# Altium PCB Graviton-EC2-Simplified.PcbDoc (part 4 of 9)
Units mm, origin at the board's own origin, x right, y up, seen from the top; angles counter-clockwise.
Board outline 200 x 200 mm, 10 copper layers (Top Layer, Internal Plane 1, Signal Layer 1, Internal Plane 2, Signal Layer 2, Signal Layer 3, Internal Plane 3, Signal Layer 4, Internal Plane 4, Bottom Layer), stack 1.674 mm thick; 774 components, 1540 nets, 6310 pads, 1698 vias.
Unrouted connection lines stored in the file: 74.
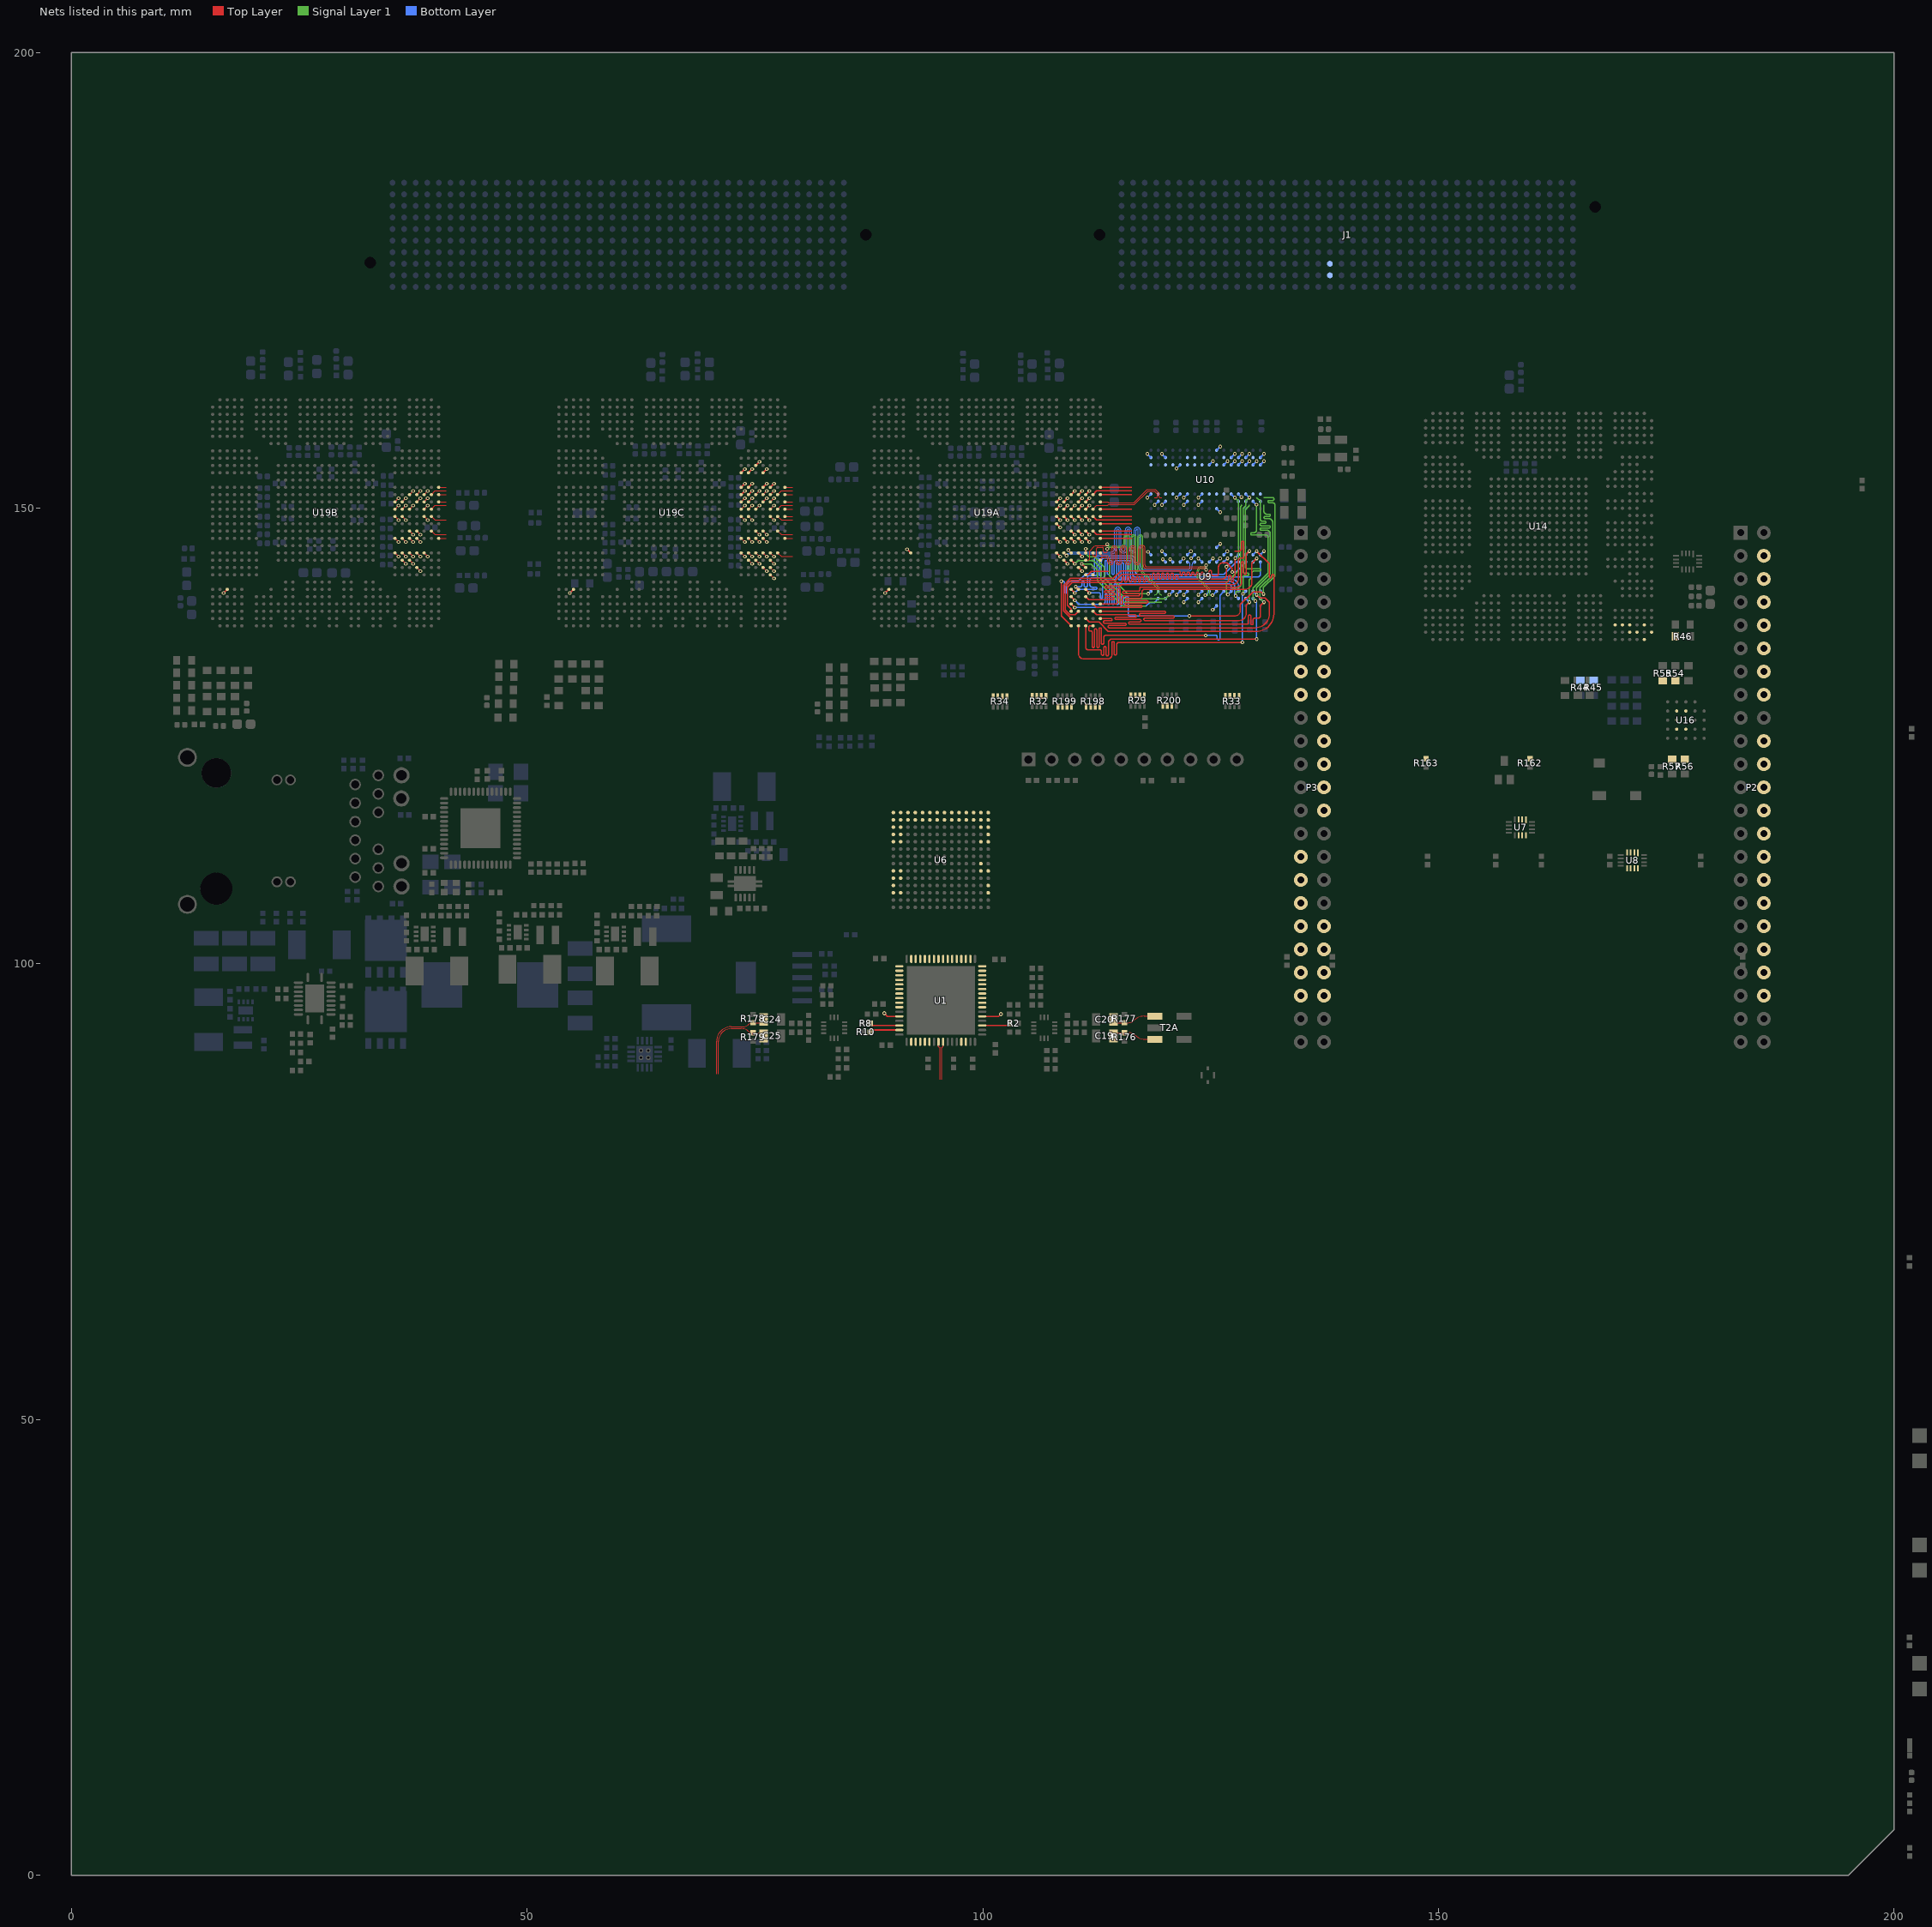
[diagram p12: the nets of this part, all layers, seen from the top]

## Via types
v1: diameter 0.406, hole 0.203, Top Layer to Bottom Layer, 1443 vias
v2: diameter 0.406, hole 0.203, Top Layer to Bottom Layer, tented top, 173 vias
v3: diameter 0.66, hole 0.305, Top Layer to Bottom Layer, tented top, 36 vias
v4: diameter 0.457, hole 0.203, Top Layer to Bottom Layer, 29 vias
v5: diameter 0.6, hole 0.3, Top Layer to Bottom Layer, 10 vias
v6: diameter 0.457, hole 0.203, Top Layer to Bottom Layer, tented bottom, 5 vias
v7: diameter 0.406, hole 0.203, Top Layer to Bottom Layer, tented both sides, 2 vias

## Nets (pads, with @x,y where several pads share a name; then routed paths per layer and width w, separated by ;. In a path a pad name is that pad's centre, name@x,y a point inside that pad or via, vN(x,y) a via of type N, cw(c..) or ccw(c..) an arc to the next point about the centre after c; other vN are vias at no path point) (continued)
ADC-AMP-A_P: R2.1 U1.35 | length 3.1
  Top Layer w0.152: U1.35@99.95,93.25 R2.1@103,93.25
ADC-AMP-B_N: R10.1 U1.15 | length 3.1
  Top Layer w0.152: R10.1@87.7,92.75 U1.15@90.85,92.75
ADC-AMP-B_P: R8.1 U1.14 | length 3.1
  Top Layer w0.152: R8.1@87.7,93.25 U1.14@90.85,93.25
ADC-CLKIN_N: U1.25 | length 4.2
  Top Layer w0.076: 95.501,87.299 95.501,90.814 95.65,90.962 U1.25@95.65,91.45
ADC-CLKIN_P: U1.24 | length 4.2
  Top Layer w0.076: U1.24@95.15,91.45 95.15,90.962 95.298,90.814 95.298,87.299
ADC-CTRL-3V3.CTRL1: P2.30 U7.1
ADC-CTRL-3V3.CTRL2: P2.32 U7.2
ADC-CTRL-3V3.RESET: P2.28 U8.4
ADC-CTRL-3V3.SCLK: P2.22 U8.1
ADC-CTRL-3V3.SDATA: P2.24 U8.2
ADC-CTRL-3V3.SDOUT: P2.34 U7.3
ADC-CTRL-3V3.SEN: P2.26 U8.3
ADC-CTRL.CTRL1: U1.37 U7.12 | length 2.2
  Top Layer w0.152: U1.37@99.95,94.25 101.75,94.25 v4(102,94.5)
ADC-CTRL.CTRL2: U1.12 U7.11 | length 1.8
  Top Layer w0.12: v4(89.2,94.6) 89.55,94.25 U1.12@90.85,94.25
ADC-CTRL.RESET: U1.22 U8.9
ADC-CTRL.SCLK: U1.18 U8.12
ADC-CTRL.SDATA: U1.19 U8.11
ADC-CTRL.SDOUT: U1.21 U7.10
ADC-CTRL.SEN: U1.20 U8.10
ADC-D0_N: U1.9 U19B.P29 | length 0.6
  Top Layer w0.076: U19B.P29@37.9,151.5 v1(38.3,151.9)
ADC-D0_P: U1.10 U19B.P28 | length 0.6
  Top Layer w0.076: U19B.P28@37.1,151.5 v1(37.5,151.9)
ADC-D1_N: U1.7 U19B.T26 | length 0.6
  Top Layer w0.076: U19B.T26@35.5,149.9 v1(35.9,150.3)
ADC-D1_P: U1.8 U19B.R26 | length 0.6
  Top Layer w0.076: U19B.R26@35.5,150.7 v1(35.9,151.1)
ADC-D2_N: U1.5 U19B.T27 | length 0.6
  Top Layer w0.076: U19B.T27@36.3,149.9 v1(36.7,150.3)
ADC-D2_P: U1.6 U19B.R27 | length 0.6
  Top Layer w0.076: U19B.R27@36.3,150.7 v1(36.7,151.1)
ADC-D3_N: U1.3 U19B.U26 | length 0.6
  Top Layer w0.076: U19B.U26@35.5,149.1 v1(35.9,148.7)
ADC-D3_P: U1.4 U19B.U27 | length 0.6
  Top Layer w0.076: U19B.U27@36.3,149.1 v1(36.7,148.7)
ADC-D4_N: U1.1 U19B.T28 | length 0.6
  Top Layer w0.076: U19B.T28@37.1,149.9 v1(37.5,150.3)
ADC-D4_P: U1.2 U19B.R29 | length 0.6
  Top Layer w0.076: U19B.R29@37.9,150.7 v1(38.3,151.1)
ADC-D5_N: U1.62 U19B.P30 | length 0.6
  Top Layer w0.076: U19B.P30@38.7,151.5 v1(39.1,151.9)
ADC-D5_P: U1.63 U19B.P31 | length 1.8
  Top Layer w0.076: U19B.P31@39.5,151.5 39.9,151.9 41.115,151.9
ADC-D6_N: U1.60 U19B.T30 | length 0.6
  Top Layer w0.076: U19B.T30@38.7,149.9 v1(39.1,150.3)
ADC-D6_P: U1.61 U19B.R30 | length 0.6
  Top Layer w0.076: U19B.R30@38.7,150.7 v1(39.1,151.1)
ADC-D7_N: U1.58 U19B.P32 | length 0.8
  Top Layer w0.076: U19B.P32@40.3,151.5 41.115,151.5
ADC-D7_P: U1.59 U19B.N32 | length 0.8
  Top Layer w0.076: U19B.N32@40.3,152.3 41.115,152.3
ADC-D8_N: U1.39 U19B.U30 | length 0.6
  Top Layer w0.076: U19B.U30@38.7,149.1 v1(39.1,148.7)
ADC-D8_P: U1.40 U19B.U31 | length 1.8
  Top Layer w0.076: U19B.U31@39.5,149.1 39.9,148.7 41.115,148.7
ADC-D9_N: U1.41 U19B.T31 | length 1.8
  Top Layer w0.076: U19B.T31@39.5,149.9 39.9,150.3 41.115,150.3
ADC-D9_P: U1.42 U19B.R32 | length 0.8
  Top Layer w0.076: U19B.R32@40.3,150.7 41.115,150.7
ADC-D10_N: U1.43 U19B.Y27 | length 0.6
  Top Layer w0.076: U19B.Y27@36.3,146.7 v1(36.7,146.3)
ADC-D10_P: U1.44 U19B.Y26 | length 0.6
  Top Layer w0.076: U19B.Y26@35.5,146.7 v1(35.9,146.3)
ADC-D11_N: U1.45 U19B.W28 | length 0.6
  Top Layer w0.076: U19B.W28@37.1,147.5 v1(37.5,147.1)
ADC-D11_P: U1.46 U19B.Y28 | length 0.6
  Top Layer w0.076: U19B.Y28@37.1,146.7 v1(37.5,146.3)
ADC-D12_N: U1.47 U19B.W29 | length 0.6
  Top Layer w0.076: U19B.W29@37.9,147.5 v1(38.3,147.1)
ADC-D12_P: U1.48 U19B.Y29 | length 0.6
  Top Layer w0.076: U19B.Y29@37.9,146.7 v1(38.3,146.3)
ADC-D13_N: U1.50 U19B.AC27 | length 0.6
  Top Layer w0.076: U19B.AC27@36.3,144.3 v1(36.7,143.9)
ADC-D13_P: U1.51 U19B.AB26 | length 0.6
  Top Layer w0.076: U19B.AB26@35.5,145.1 v1(35.9,144.7)
ADC-D14_N: U1.52 U19B.AB27 | length 0.6
  Top Layer w0.076: U19B.AB27@36.3,145.1 v1(36.7,144.7)
ADC-D14_P: U1.53 U19B.AB28 | length 0.6
  Top Layer w0.076: U19B.AB28@37.1,145.1 v1(37.5,144.7)
ADC-D15_N: U1.54 U19B.AB29 | length 0.6
  Top Layer w0.076: U19B.AB29@37.9,145.1 v1(38.3,144.7)
ADC-D15_P: U1.55 U19B.AB30 | length 0.6
  Top Layer w0.076: U19B.AB30@38.7,145.1 v1(39.1,144.7)
ADC-DCLK_N: U1.56 U19B.AD29 | length 0.6
  Top Layer w0.076: U19B.AD29@37.9,143.5 v1(38.3,143.1)
ADC-DCLK_P: U1.57 U19B.AC28 | length 0.6
  Top Layer w0.076: U19B.AC28@37.1,144.3 v1(37.5,143.9)
ADC-INA_N: C19.1 R176.1 T2A.1 | length 4.4
  Top Layer w0.076: C19.1@114.71,92.455 R176.1@115.55,92.455 116.084,92.455 cw(c116.084,91.584) 116.7,92.2 ccw(c117.835,93.335) 117.835,91.73 T2A.1@118.91,91.73
ADC-INA_P: C20.1 R177.2 T2A.3 | length 4.4
  Top Layer w0.076: C20.1@114.71,93.545 R177.2@115.55,93.545 115.984,93.545 ccw(c115.984,94.416) 116.6,93.8 cw(c117.735,92.665) 117.735,94.27 T2A.3@118.91,94.27
ADC-INB_N: C24.1 R178.1 | length 9.4
  Top Layer w0.076: 70.798,87.911 70.798,91.502 cw(c72.4,91.502) 72.4,93.103 73.733,93.103 ccw(c73.733,93.796) 74.223,93.306 cw(c74.8,92.729) R178.1@74.8,93.545 C24.1@75.59,93.545
ADC-INB_P: C25.1 R179.2 | length 9.1
  Top Layer w0.076: 71.001,87.911 71.001,91.502 cw(c72.4,91.502) 72.4,92.9 73.5,92.9 cw(c73.5,91.652) 74.383,92.534 ccw(c74.574,92.726) 74.574,92.455 R179.2@74.8,92.455 C25.1@75.59,92.455
ADC-SYNC_N: U1.30 U19B.Y32 | length 0.8
  Top Layer w0.076: U19B.Y32@40.3,146.7 41.115,146.7
ADC-SYNC_P: U1.29 U19B.W31 | length 1.8
  Top Layer w0.076: U19B.W31@39.5,147.5 39.9,147.1 41.115,147.1
AIN0-EXT: P3.39
AIN1-EXT: P3.40
AIN2-EXT: P3.37
AIN3-EXT: P3.38
AIN4-EXT: P3.33
AIN5-EXT: P3.36
AIN6-EXT: P3.35
ALARM: P2.8 U6.N12
BANK3-DDRCTRL.CASN: R32.1 U9.K3 U10.K3 U19A.W30 | length 1.1
  Top Layer w0.127: U19A.W30@111.3,147.5 v1(111.7,147.1)
  Bottom Layer w0.121: U9.K3@125.66,144.094 v2(126.047,144.482)
BANK3-DDRCTRL.CKE: R32.4 U9.K9 U10.K9 U19A.U28 | length 1.2
  Top Layer w0.127: U19A.U28@109.7,149.1 v1(110.1,148.7)
  Bottom Layer w0.121: v2(125.228,138.862) U9.K9@125.66,139.294
  other v2: 126.06,149.562
BANK3-DDRCTRL.CLK_N: R29.2 U9.K7 U10.K7 U19A.AC32 | length 31.3
  Top Layer w0.076: U19A.AC32@112.9,144.3 ccw(c112.808,144.392) 112.938,144.392 cw(c113.145,144.392) 113.145,144.599 113.517,144.599 cw(c113.517,144.399) 113.716,144.399 113.716,144.145 ccw(c114.046,144.145) 114.046,143.815 ccw(c114.046,144.094) 114.325,144.094 114.325,145.567 cw(c114.427,145.567) 114.427,145.669 cw(c114.427,145.542) 114.554,145.542 114.554,144.196 ccw(c114.935,144.196) 114.935,143.815 ccw(c114.935,144.145) 115.265,144.145 115.265,145.491 cw(c115.443,145.491) 115.443,145.669 cw(c115.443,145.542) 115.57,145.542 115.57,144.196 ccw(c115.951,144.196) 115.951,143.815 ccw(c115.951,144.145) 116.281,144.145 116.281,145.491 cw(c116.459,145.491) 116.459,145.669 cw(c116.459,145.542) 116.586,145.542 116.586,144.158 ccw(c116.929,144.158) 116.929,143.815 116.967,143.815 ccw(c116.967,144.145) 117.297,144.145 117.297,145.542 cw(c117.475,145.542) 117.475,145.72 cw(c117.475,145.593) 117.602,145.593 117.602,143.764 ccw(c117.97,143.764) 117.97,143.396 124.371,143.396 cw(c124.371,143.256) v2(124.511,143.256)
  Signal Layer 1 w0.076: v2(124.511,143.256) ccw(c124.347,143.256) 124.347,143.419 123.952,143.419 ccw(c123.952,143.165) 123.698,143.165 123.698,142.367 124.901,141.164 124.901,140.564 ccw(c125.003,140.564) 125.003,140.462 v2(125.222,140.462)
  Bottom Layer w0.076: U9.K7@125.527,140.932 U9.K7@125.568,140.932
  Bottom Layer w0.12: v2@125.225,140.458 U9.K7@125.66,140.894
BANK3-DDRCTRL.CLK_P: R29.1 U9.J7 U10.J7 U19A.AB32 | length 31.5
  Top Layer w0.076: U19A.AB32@112.9,145.1 cw(c112.808,145.008) 112.938,145.008 ccw(c113.145,145.008) 113.145,144.802 113.55,144.802 cw(c113.55,144.432) 113.919,144.432 113.919,144.145 ccw(c114.046,144.145) 114.046,144.018 ccw(c114.046,144.094) 114.122,144.094 114.122,145.567 cw(c114.427,145.567) 114.427,145.872 cw(c114.427,145.542) 114.757,145.542 114.757,144.196 ccw(c114.935,144.196) 114.935,144.018 ccw(c114.935,144.145) 115.062,144.145 115.062,145.491 cw(c115.443,145.491) 115.443,145.872 cw(c115.443,145.542) 115.773,145.542 115.773,144.196 ccw(c115.951,144.196) 115.951,144.018 ccw(c115.951,144.145) 116.078,144.145 116.078,145.491 cw(c116.459,145.491) 116.459,145.872 cw(c116.459,145.542) 116.789,145.542 116.789,144.158 ccw(c116.929,144.158) 116.929,144.018 116.967,144.018 ccw(c116.967,144.145) 117.094,144.145 117.094,145.542 cw(c117.475,145.542) 117.475,145.923 cw(c117.475,145.593) 117.805,145.593 117.805,143.764 ccw(c117.97,143.764) 117.97,143.599 124.371,143.599 ccw(c124.371,143.739) v2(124.511,143.739)
  Signal Layer 1 w0.076: v2(124.425,140.458) 124.64,140.458 ccw(c124.64,140.564) 124.745,140.564 124.745,141.099 123.542,142.302 123.542,143.165 cw(c123.952,143.165) 123.952,143.575 124.347,143.575 ccw(c124.347,143.739) v2(124.511,143.739)
  Bottom Layer w0.12: v2(124.425,140.458) U9.J7@124.86,140.894
BANK3-DDRCTRL.CSN: R29.3 U9.L2 U10.L2 U19A.U29 | length 1.1
  Top Layer w0.127: U19A.U29@110.5,149.1 v1(110.9,148.7)
  Bottom Layer w0.121: U9.L2@126.46,144.894 v2(126.848,145.282)
BANK3-DDRCTRL.ODT: R32.3 U9.K1 U10.K1 U19A.V26 | length 0.6
  Top Layer w0.127: U19A.V26@108.1,148.3 v1(108.5,147.9)
  other v2: 126.06,146.094 126.06,156.762
BANK3-DDRCTRL.RASN: R29.4 U9.J3 U10.J3 U19A.Y30 | length 0.6
  Top Layer w0.127: U19A.Y30@111.3,146.7 v1(111.7,146.3)
  other v2: 125.26,144.494 125.26,155.162
BANK3-DDRCTRL.RSTN: R31.2 U9.T2 U10.T2 U19A.T29 | length 0.6
  Top Layer w0.127: U19A.T29@110.5,149.9 v1(110.9,150.3)
  other v2: 130.861,145.294 130.861,155.962
BANK3-DDRCTRL.WEN: R32.2 U9.L3 U10.L3 U19A.AE31
  other v2: 126.86,144.494 126.86,155.162
BANK3-DQS32.DQM0: U10.E7 U19A.T32 | length 3.4
  Top Layer w0.12: U19A.T32@112.9,149.9 116.332,149.9
  other v2: 121.26,151.162
BANK3-DQS32.DQM1: U10.D3 U19A.U32 | length 3.4
  Top Layer w0.12: U19A.U32@112.9,149.1 116.332,149.1
BANK3-DQS32.DQM2: U9.E7 U19A.V32 | length 3.4
  Top Layer w0.12: U19A.V32@112.9,148.3 116.332,148.3
  other v2: 121.26,140.494
BANK3-DQS32.DQM3: U9.D3 U19A.W32 | length 3.9
  Top Layer w0.12: U19A.W32@112.9,147.5 116.332,147.5
  Bottom Layer w0.121: v2(120.555,144.399) U9.D3@120.86,144.094
BANK3-DQS32.DQS0_N: U10.G3 U19A.T28 | length 0.6
  Top Layer w0.076: U19A.T28@109.7,149.9 v1(110.1,150.3)
BANK3-DQS32.DQS0_P: U10.F3 U19A.R29 | length 0.6
  Top Layer w0.076: U19A.R29@110.5,150.7 v1(110.9,151.1)
BANK3-DQS32.DQS1_N: U10.B7 U19A.T31 | length 8.7
  Top Layer w0.076: U19A.T31@112.1,149.9 112.5,150.3 113.715,150.3 113.813,150.399 116.65,150.399 118.127,151.875 118.83,151.875 119.158,151.548 119.158,151.232 119.088,151.162 118.859,151.162
BANK3-DQS32.DQS1_P: U10.C7 U19A.R32 | length 8
  Top Layer w0.076: U19A.R32@112.9,150.7 113.715,150.7 113.813,150.601 116.566,150.601 117.983,152.019 118.042,152.078 118.914,152.078 119.361,151.632 119.361,151.232 119.431,151.162 119.659,151.162
BANK3-DQS32.DQS2_N: U9.G3 U19A.AB27 | length 31.6
  Top Layer w0.076: U19A.AB27@108.9,145.1 v1(109.195,144.805)
  Bottom Layer w0.076: v1(109.195,144.805) cw(c109.398,144.805) 109.398,145.009 114.122,145.009 ccw(c114.122,145.568) 114.681,145.568 114.681,147.574 cw(c114.808,147.574) 114.808,147.701 cw(c114.808,147.523) 114.986,147.523 114.986,145.542 ccw(c115.443,145.542) 115.443,145.085 ccw(c115.443,145.466) 115.824,145.466 115.824,147.574 ; 115.824,147.599 115.824,147.574 ; U9.G3@123.26,144.094 cw(c123.168,144.186) 123.168,144.056 ccw(c123.168,143.849) 122.961,143.849 122.961,143.485 cw(c122.58,143.485) 122.58,143.104 117.602,143.104 cw(c117.602,143.637) 117.069,143.637 117.069,147.599 ccw(c116.967,147.599) 116.967,147.701 ccw(c116.967,147.574) 116.84,147.574 116.84,145.466 cw(c116.459,145.466) 116.459,145.085 cw(c116.459,145.415) 116.129,145.415 116.129,147.523 ccw(c115.951,147.523) 115.951,147.701 ccw(c115.951,147.574) 115.824,147.574
BANK3-DQS32.DQS2_P: U9.F3 U19A.AB28 | length 31.1
  Top Layer w0.076: v1(109.385,145.415) U19A.AB28@109.7,145.1
  Bottom Layer w0.076: v1(109.385,145.415) ccw(c109.588,145.415) 109.588,145.212 114.122,145.212 ccw(c114.122,145.568) 114.478,145.568 114.478,147.574 cw(c114.808,147.574) 114.808,147.904 cw(c114.808,147.523) 115.189,147.523 115.189,145.542 ccw(c115.443,145.542) 115.443,145.288 ccw(c115.443,145.466) 115.621,145.466 115.621,147.574 ; 115.621,147.599 115.621,147.574 ; U9.F3@122.46,144.094 ccw(c122.551,144.186) 122.551,144.056 cw(c122.551,143.849) 122.758,143.849 122.758,143.485 cw(c122.58,143.485) 122.58,143.307 117.602,143.307 cw(c117.602,143.637) 117.272,143.637 117.272,147.599 ccw(c116.967,147.599) 116.967,147.904 ccw(c116.967,147.574) 116.637,147.574 116.637,145.466 cw(c116.459,145.466) 116.459,145.288 cw(c116.459,145.415) 116.332,145.415 116.332,147.523 ccw(c115.951,147.523) 115.951,147.904 ccw(c115.951,147.574) 115.621,147.574
BANK3-DQS32.DQS3_N: U9.B7 U19A.AB31 | length 30.6
  Top Layer w0.076: U19A.AB31@112.1,145.1 112.1,144.846 ccw(c112.217,144.846) 112.217,144.729 112.344,144.729 ccw(c112.344,144.882) 112.497,144.882 112.497,145.567 cw(c112.624,145.567) 112.624,145.694 113.132,145.694 cw(c113.132,145.567) 113.259,145.567 113.259,145.263 ccw(c113.386,145.263) 113.386,145.136 113.513,145.136 ccw(c113.513,145.288) 113.665,145.288 v2(113.665,145.542)
  Signal Layer 1 w0.076: v2(113.665,145.542) cw(c113.839,145.542) 113.839,145.716 115.178,145.716 ccw(c115.178,146.177) 115.639,146.177 115.639,146.837 cw(c115.766,146.837) 115.766,146.964 cw(c115.766,146.837) 115.893,146.837 115.893,143.307 ccw(c116.151,143.307) 116.151,143.049 ccw(c116.151,143.303) 116.405,143.303 116.405,146.812 cw(c116.532,146.812) 116.532,146.939 cw(c116.532,146.812) 116.659,146.812 116.659,143.281 ccw(c116.916,143.281) 116.916,143.024 ccw(c116.916,143.278) 117.17,143.278 117.17,146.787 cw(c117.297,146.787) 117.297,146.914 cw(c117.297,146.787) 117.424,146.787 117.424,142.956 119.181,141.199 119.181,140.816 cw(c118.859,140.816) 118.859,140.494
BANK3-DQS32.DQS3_P: U9.C7 U19A.AC30 | length 31
  Top Layer w0.076: U19A.AC30@111.3,144.3 111.61,144.3 111.735,144.424 111.735,145.296 112.277,145.838 112.336,145.897 113.512,145.897 ccw(c113.512,146.05) v2(113.665,146.05)
  Signal Layer 1 w0.076: v2(113.665,146.05) ccw(c113.843,146.05) 113.843,145.872 115.178,145.872 ccw(c115.178,146.177) 115.483,146.177 115.483,146.837 cw(c115.766,146.837) 115.766,147.12 cw(c115.766,146.837) 116.049,146.837 116.049,143.307 ccw(c116.151,143.307) 116.151,143.205 ccw(c116.151,143.303) 116.249,143.303 116.249,146.812 cw(c116.532,146.812) 116.532,147.095 cw(c116.532,146.812) 116.815,146.812 116.815,143.281 ccw(c116.916,143.281) 116.916,143.18 ccw(c116.916,143.278) 117.014,143.278 117.014,146.787 cw(c117.297,146.787) 117.297,147.07 cw(c117.297,146.787) 117.58,146.787 117.58,143.02 119.337,141.263 119.337,140.816 ccw(c119.659,140.816) 119.659,140.494
BBBGPIO0-30: P3.11
BBBGPIO0-31: P3.13
BBBGPIO1-16: P3.15
BBBGPIO2-11: P2.42
BBBGPIO2-13: P2.40
BBBGPIO2-15: P2.38
BBBGPIO3-14: P3.31
BBBGPIO3-15: P3.29
BBBGPIO3-18: P3.42
BUZZER: R163.2 U19A.AB6 | length 0.6
  Top Layer w0.127: v1(91.7,145.5) U19A.AB6@92.1,145.1
BUZZER-MCU: P2.36 R162.2
CFG_CS1N: R45.1 U14.AH3
CFG_CSN: R44.1 U14.AG3
CFG_SPI_DQ0: R54.1 U14.AK2 U16.D3
CFG_SPI_DQ1: R55.1 U14.AJ2 U16.D2
CFG_SPI_DQ2: R56.1 U14.AM2 U16.C4
CFG_SPI_DQ3: R57.1 U14.AL1 U16.D4
CFG_SPI_SN: U14.AJ3 U16.C2
CFG_WRITEN: R46.1 U14.AL3
CLIENT-CLK_N: J1.218
CLIENT-CLK_P: J1.219
CLK-CTRL.C\S\: 
CLK-CTRL.CSN: P3.20
CLK-CTRL.LD1: P3.16
CLK-CTRL.LD2: P3.18
CLK-CTRL.RESET: P3.26
CLK-CTRL.SCK: P3.22
CLK-CTRL.SDIO: P3.24
CLK-CTRL.SEL0: P3.12
CLK-CTRL.SEL1: P3.14
CLKIN: 
CLKOUT3_N: U13.6
CLKOUT3_P: U13.7
CLOCK-SYNC: P3.41
CPOUT1: 
CSNA: U19A.AG3 | length 0.6
  Top Layer w0.127: v1(89.3,140.7) U19A.AG3@89.7,141.1
CSNB: U19B.AG3 | length 0.6
  Top Layer w0.127: v1(16.7,140.7) U19B.AG3@17.1,141.1
CSNC: U19C.AG3 | length 0.6
  Top Layer w0.127: v1(54.7,140.7) U19C.AG3@55.1,141.1
DAC-CTRL.RESETN: P2.4 U6.N10
DAC-CTRL.SCLK: P2.20 U6.P9
DAC-CTRL.SDENN: P2.6 U6.P10
DAC-CTRL.SDIO: P2.16 U6.P11
DAC-CTRL.SDO: P2.14 U6.P12
DAC-CTRL.SLEEP: P2.12 U6.B8
DAC-CTRL.TXENABLE: P2.10 U6.N9
DAC-LVDS.DAC-D0_N: U6.P4 U19C.P29 | length 0.6
  Top Layer w0.076: U19C.P29@75.9,151.5 v1(76.3,151.9)
DAC-LVDS.DAC-D0_P: U6.N4 U19C.P28 | length 0.6
  Top Layer w0.076: U19C.P28@75.1,151.5 v1(75.5,151.9)
DAC-LVDS.DAC-D1_N: U6.P3 U19C.T26 | length 0.6
  Top Layer w0.076: U19C.T26@73.5,149.9 v1(73.9,150.3)
DAC-LVDS.DAC-D1_P: U6.N3 U19C.R26 | length 0.6
  Top Layer w0.076: U19C.R26@73.5,150.7 v1(73.9,151.1)
DAC-LVDS.DAC-D2_N: U6.P2 U19C.T27 | length 0.6
  Top Layer w0.076: U19C.T27@74.3,149.9 v1(74.7,150.3)
DAC-LVDS.DAC-D2_P: U6.N2 U19C.R27 | length 0.6
  Top Layer w0.076: U19C.R27@74.3,150.7 v1(74.7,151.1)
DAC-LVDS.DAC-D3_N: U6.P1 U19C.U26 | length 0.6
  Top Layer w0.076: U19C.U26@73.5,149.1 v1(73.9,148.7)
DAC-LVDS.DAC-D3_P: U6.N1 U19C.U27 | length 0.6
  Top Layer w0.076: U19C.U27@74.3,149.1 v1(74.7,148.7)
DAC-LVDS.DAC-D4_N: U6.M1 U19C.T28 | length 0.6
  Top Layer w0.076: U19C.T28@75.1,149.9 v1(75.5,150.3)
DAC-LVDS.DAC-D4_P: U6.M2 U19C.R29 | length 0.6
  Top Layer w0.076: U19C.R29@75.9,150.7 v1(76.3,151.1)
DAC-LVDS.DAC-D5_N: U6.L1 U19C.P30 | length 0.6
  Top Layer w0.076: U19C.P30@76.7,151.5 v1(77.1,151.9)
DAC-LVDS.DAC-D5_P: U6.L2 U19C.P31 | length 1.8
  Top Layer w0.076: U19C.P31@77.5,151.5 77.9,151.9 79.115,151.9
DAC-LVDS.DAC-D6_N: U6.K1 U19C.T30 | length 0.6
  Top Layer w0.076: U19C.T30@76.7,149.9 v1(77.1,150.3)
DAC-LVDS.DAC-D6_P: U6.K2 U19C.R30 | length 0.6
  Top Layer w0.076: U19C.R30@76.7,150.7 v1(77.1,151.1)
DAC-LVDS.DAC-D7_N: U6.J1 U19C.P32 | length 0.8
  Top Layer w0.076: U19C.P32@78.3,151.5 79.115,151.5
DAC-LVDS.DAC-D7_P: U6.J2 U19C.N32 | length 0.8
  Top Layer w0.076: U19C.N32@78.3,152.3 79.115,152.3
DAC-LVDS.DAC-D8_N: U6.F1 U19C.U30 | length 0.6
  Top Layer w0.076: U19C.U30@76.7,149.1 v1(77.1,148.7)
DAC-LVDS.DAC-D8_P: U6.F2 U19C.U31 | length 1.8
  Top Layer w0.076: U19C.U31@77.5,149.1 77.9,148.7 79.115,148.7
DAC-LVDS.DAC-D9_N: U6.E1 U19C.T31 | length 1.8
  Top Layer w0.076: U19C.T31@77.5,149.9 77.9,150.3 79.115,150.3
DAC-LVDS.DAC-D9_P: U6.E2 U19C.R32 | length 0.8
  Top Layer w0.076: U19C.R32@78.3,150.7 79.115,150.7
DAC-LVDS.DAC-D10_N: U6.D1 U19C.Y27 | length 0.6
  Top Layer w0.076: U19C.Y27@74.3,146.7 v1(74.7,146.3)
DAC-LVDS.DAC-D10_P: U6.D2 U19C.Y26 | length 0.6
  Top Layer w0.076: U19C.Y26@73.5,146.7 v1(73.9,146.3)
DAC-LVDS.DAC-D11_N: U6.C1 U19C.W28 | length 0.6
  Top Layer w0.076: U19C.W28@75.1,147.5 v1(75.5,147.1)
DAC-LVDS.DAC-D11_P: U6.C2 U19C.Y28 | length 0.6
  Top Layer w0.076: U19C.Y28@75.1,146.7 v1(75.5,146.3)
DAC-LVDS.DAC-D12_N: U6.B1 U19C.W29 | length 0.6
  Top Layer w0.076: U19C.W29@75.9,147.5 v1(76.3,147.1)
DAC-LVDS.DAC-D12_P: U6.A1 U19C.Y29 | length 0.6
  Top Layer w0.076: U19C.Y29@75.9,146.7 v1(76.3,146.3)
DAC-LVDS.DAC-D13_N: U6.B2 U19C.AC27 | length 0.6
  Top Layer w0.076: U19C.AC27@74.3,144.3 v1(74.7,143.9)
DAC-LVDS.DAC-D13_P: U6.A2 U19C.AB26 | length 0.6
  Top Layer w0.076: U19C.AB26@73.5,145.1 v1(73.9,144.7)
DAC-LVDS.DAC-D14_N: U6.B3 U19C.AB27 | length 0.6
  Top Layer w0.076: U19C.AB27@74.3,145.1 v1(74.7,144.7)
DAC-LVDS.DAC-D14_P: U6.A3 U19C.AB28 | length 0.6
  Top Layer w0.076: U19C.AB28@75.1,145.1 v1(75.5,144.7)
DAC-LVDS.DAC-D15_N: U19C.AB29 | length 0.6
  Top Layer w0.076: U19C.AB29@75.9,145.1 v1(76.3,144.7)
DAC-LVDS.DAC-D15_P: U6.A4 U19C.AB30 | length 0.6
  Top Layer w0.076: U19C.AB30@76.7,145.1 v1(77.1,144.7)
DAC-LVDS.DAC-DCLK_N: U6.G1 U19C.AD29 | length 0.6
  Top Layer w0.076: U19C.AD29@75.9,143.5 v1(76.3,143.1)
DAC-LVDS.DAC-DCLK_P: U6.G2 U19C.AC28 | length 0.6
  Top Layer w0.076: U19C.AC28@75.1,144.3 v1(75.5,143.9)
DAC-LVDS.DAC-FRAME_N: U6.H1 U19C.U32 | length 0.8